# Altium PCB UZ_A_MAX11331_Adapter.PcbDoc (part 2 of 2)
Units mm, origin at the board's own origin, x right, y up, seen from the top; angles counter-clockwise.
Board outline 100 x 100 mm, 4 copper layers (Top Layer, GND, VCC, Bottom Layer), stack 1.587 mm thick; 150 components, 147 nets, 572 pads, 201 vias.
Unrouted connection lines stored in the file: 121.
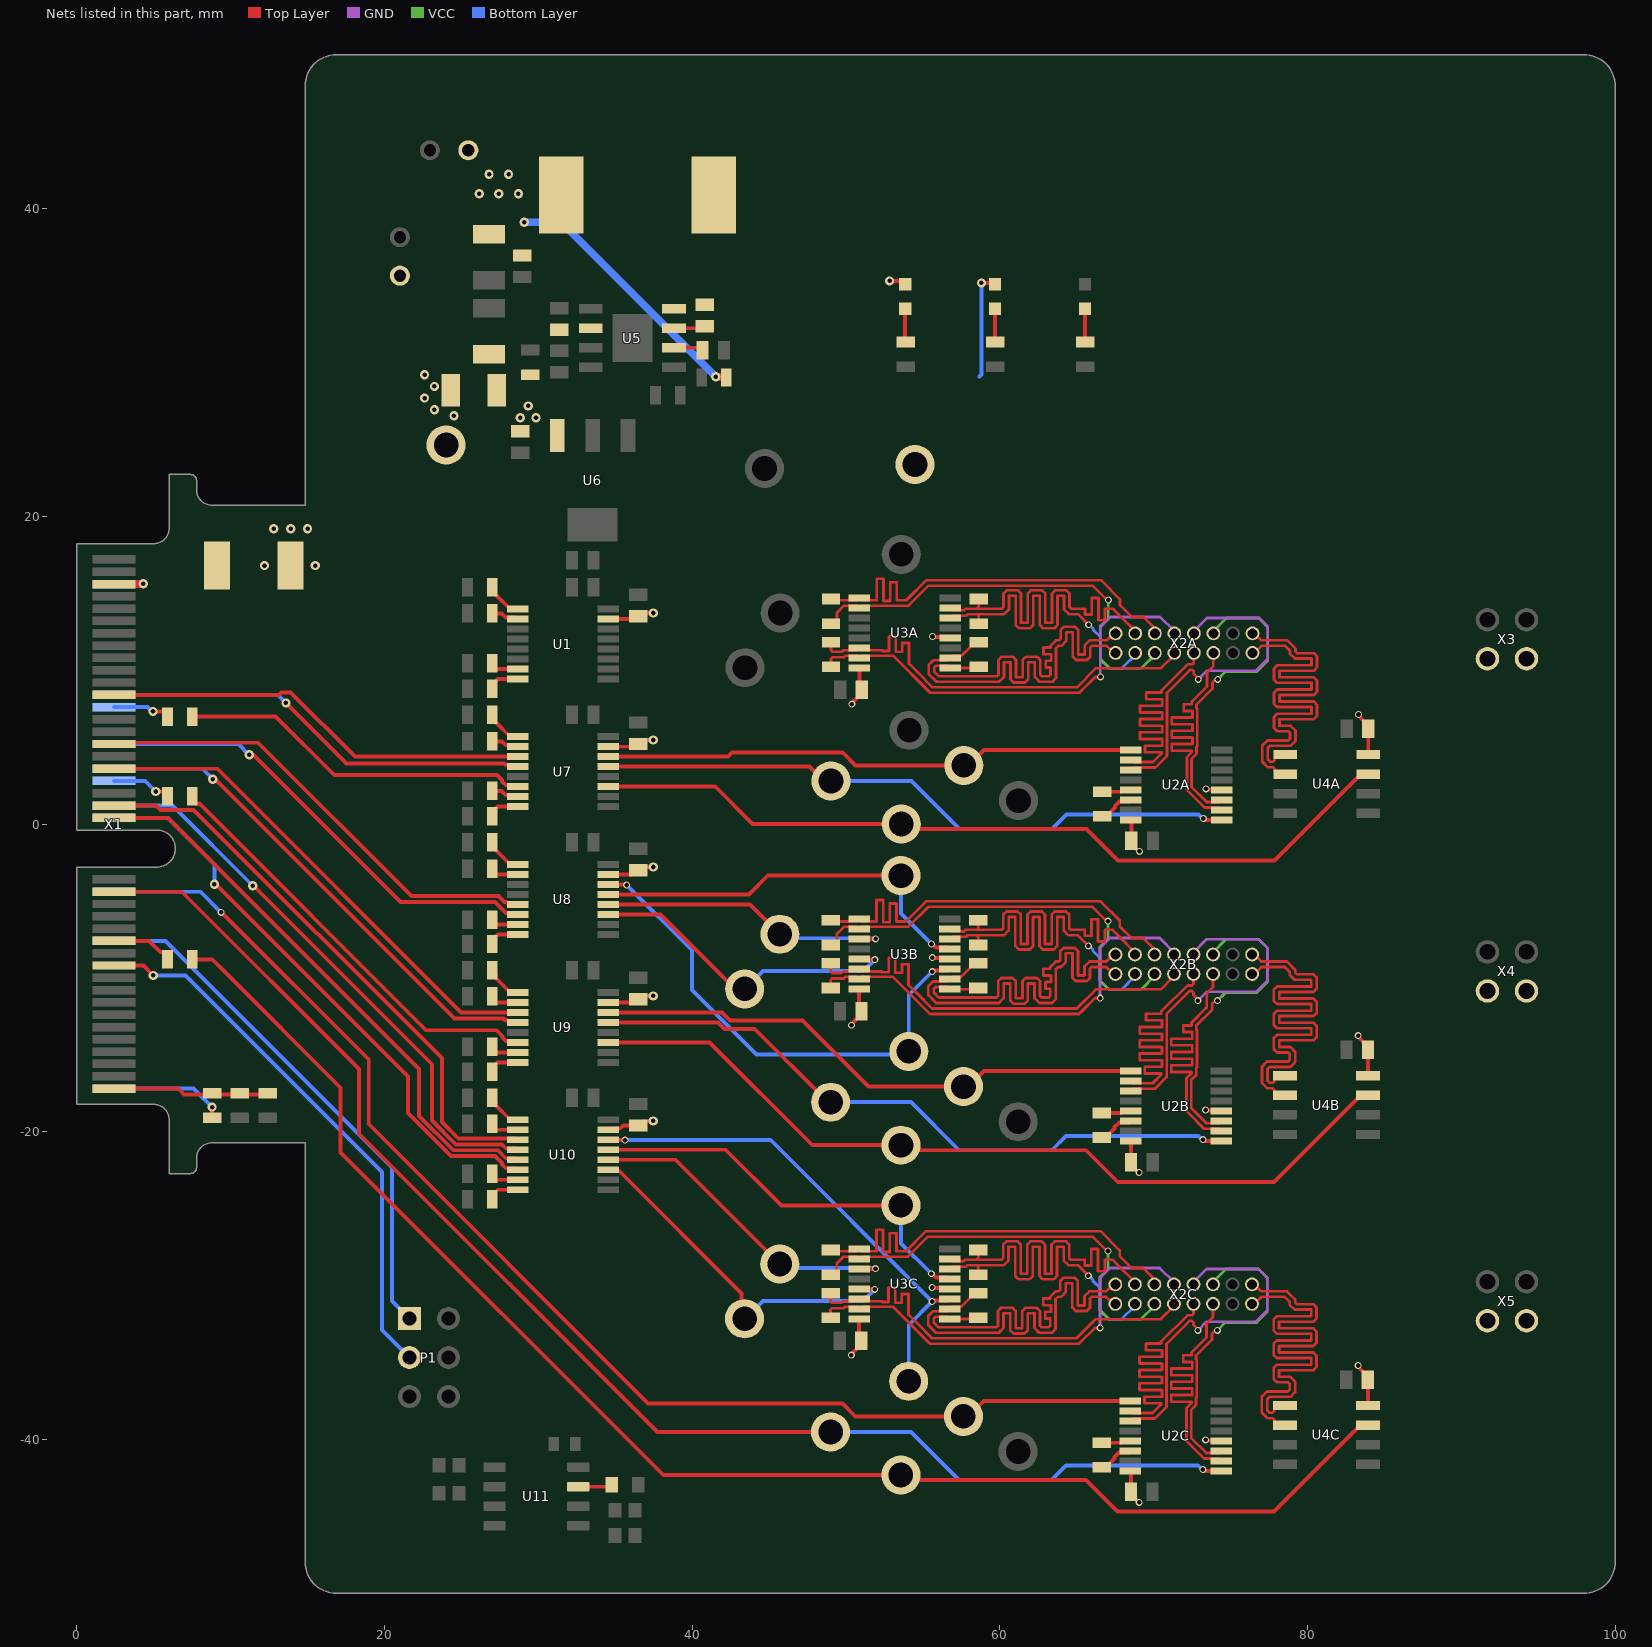
[diagram p4: the nets of this part, all layers, seen from the top]

## Via types
v1: diameter 0.6, hole 0.3, Top Layer to Bottom Layer, tented both sides, 111 vias
v2: diameter 0.45, hole 0.3, Top Layer to Bottom Layer, tented both sides, 84 vias
v3: diameter 0.5, hole 0.2, Top Layer to Bottom Layer, tented bottom, 6 vias

## Nets (pads, with @x,y where several pads share a name; then routed paths per layer and width w, separated by ;. In a path a pad name is that pad's centre, name@x,y a point inside that pad or via, vN(x,y) a via of type N, cw(c..) or ccw(c..) an arc to the next point about the centre after c; other vN are vias at no path point) (continued)
MISO2_3: U8.5 X1.31 | length 30.6
  Top Layer w0.254: X1.31@2.413,5.193 2.503,5.283 11.786,5.283 21.756,-4.687 27.401,-4.687 27.794,-5.079 27.928,-5.079 27.976,-5.127 28.552,-5.127 U8.5@28.65,-5.225
MISO2_4: U8.6 X1.32 | length 30.8
  Top Layer w0.254: v1(11.201,4.496) 11.481,4.496 21.045,-5.068 27.187,-5.068 27.671,-5.551 27.671,-5.566 27.882,-5.777 28.552,-5.777 U8.6@28.65,-5.875
  Bottom Layer w0.254: X1.32@2.413,5.193 10.504,5.193 v1(11.201,4.496)
MISO2_A: TP7B.1 U3B.3 U8.14 | length 32.7
  Top Layer w0.254: U8.14@34.55,-3.925 34.569,-3.944 35.719,-3.944 v2(35.738,-3.962) ; v2(55.606,-9.601) 55.659,-9.601 55.728,-9.533 56.657,-9.533 U3B.3@56.755,-9.435
  Bottom Layer w0.254: v2(35.738,-3.962) 39.976,-8.2 39.976,-10.786 44.176,-14.986 53.879,-14.986 TP7B.1@54.082,-14.783 54.082,-11.125 v2(55.606,-9.601)
MISO2_B: TP8B.1 U3B.5 U8.13 | length 26.1
  Top Layer w0.254: U8.13@34.55,-4.575 43.691,-4.575 44.913,-3.353 TP8B.1@53.574,-3.353 ; v2(55.555,-7.798) 55.608,-7.798 55.848,-8.037 56.657,-8.037 U3B.5@56.755,-8.135
  Bottom Layer w0.254: TP8B.1@53.574,-3.353 53.574,-5.817 v2(55.555,-7.798)
MISO2_C: TP9B.1 U3B.11 U8.12 | length 19.4
  Top Layer w0.254: U8.12@34.55,-5.225 43.762,-5.225 TP9B.1@45.7,-7.163 ; U3B.11@50.855,-7.485 50.863,-7.476 51.915,-7.476 v2(51.923,-7.468)
  Bottom Layer w0.254: TP9B.1@45.7,-7.163 45.968,-7.43 51.886,-7.43 v2(51.923,-7.468)
MISO2_D: TP10B.1 U3B.13 U8.11 | length 21.1
  Top Layer w0.254: U8.11@34.55,-5.875 37.952,-5.875 42.796,-10.719 TP10B.1@43.414,-10.719 ; U3B.13@50.855,-8.785 50.869,-8.8 51.858,-8.8 v2(51.872,-8.814)
  Bottom Layer w0.254: TP10B.1@43.414,-10.719 43.444,-10.719 44.597,-9.567 51.12,-9.567 v2(51.872,-8.814)
MISO3_1: U10.3 X1.41 | length 37.7
  Top Layer w0.254: X1.41@2.413,1.193 5.155,1.193 5.427,0.921 7.588,0.921 23.724,-15.215 23.724,-19.38 24.79,-20.447 28.572,-20.447 U10.3@28.65,-20.525
MISO3_2: U10.4 X1.42 | length 37.6
  Top Layer w0.254: v1(11.43,-4.013) 11.481,-4.013 23.089,-15.621 23.089,-19.284 24.633,-20.828 27.633,-20.828 27.882,-21.077 28.552,-21.077 U10.4@28.65,-21.175
  Bottom Layer w0.254: X1.42@2.413,1.193 6.224,1.193 v1(11.43,-4.013)
MISO3_3: U10.5 X1.43 | length 37.2
  Top Layer w0.254: X1.43@2.413,0.393 5.931,0.393 22.25,-15.926 22.25,-18.985 24.475,-21.209 27.364,-21.209 27.882,-21.727 28.552,-21.727 U10.5@28.65,-21.825
MISO3_4: U10.6 X1.44 | length 37.9
  Top Layer w0.254: v1(8.941,-3.912) 9.017,-3.912 21.514,-16.408 21.514,-18.787 24.317,-21.59 27.185,-21.59 27.629,-22.034 27.629,-22.125 27.882,-22.377 28.552,-22.377 U10.6@28.65,-22.475
  Bottom Layer w0.254: X1.44@2.413,0.393 5.931,0.393 8.941,-2.616 v1(8.941,-3.912)
MISO3_A: TP7C.1 U3C.3 U10.14 | length 32.7
  Top Layer w0.254: U10.14@34.55,-20.525 34.562,-20.537 35.624,-20.537 v2(35.636,-20.549) ; v2(55.601,-31.044) 55.654,-31.044 55.722,-30.976 56.651,-30.976 U3C.3@56.749,-30.878
  Bottom Layer w0.254: v2(35.636,-20.549) 45.105,-20.549 v2(55.601,-31.044) 54.077,-32.568 TP7C.1@54.077,-36.225 TP7C.1@53.873,-36.429
MISO3_B: TP8C.1 U3C.5 U10.13 | length 27.1
  Top Layer w0.254: U10.13@34.55,-21.175 42.177,-21.175 45.798,-24.795 TP8C.1@53.569,-24.795 ; v2(55.55,-29.24) 55.603,-29.24 55.842,-29.48 56.651,-29.48 U3C.5@56.749,-29.578
  Bottom Layer w0.254: TP8C.1@53.569,-24.795 53.569,-27.259 v2(55.55,-29.24)
MISO3_C: TP9C.1 U3C.11 U10.12 | length 21.4
  Top Layer w0.254: U10.12@34.55,-21.825 38.914,-21.825 TP9C.1@45.695,-28.605 ; U3C.11@50.849,-28.928 50.858,-28.919 51.909,-28.919 v2(51.918,-28.91)
  Bottom Layer w0.254: TP9C.1@45.695,-28.605 45.962,-28.873 51.88,-28.873 v2(51.918,-28.91)
MISO3_D: TP10C.1 U3C.13 U10.11 | length 24.6
  Top Layer w0.254: U10.11@34.55,-22.475 34.648,-22.573 35.282,-22.573 43.22,-30.51 43.22,-31.972 TP10C.1@43.409,-32.161 TP10C.1@42.79,-32.161 ; U3C.13@50.849,-30.228 50.863,-30.242 51.852,-30.242 v2(51.867,-30.256)
  Bottom Layer w0.254: TP10C.1@43.409,-32.161 43.439,-32.161 44.591,-31.009 51.114,-31.009 v2(51.867,-30.256)
MISOAA_N: R21A.1 U3A.1 X2A.2 | length 26.5
  Top Layer w0.178: R21A.1@58.624,10.219 58.549,10.144 U3A.1@56.774,10.144 56.638,10.28 55.834,10.28 55.73,10.176 55.73,9.909 56.037,9.602 59.615,9.602 59.808,9.602 59.912,9.706 59.912,10.664 60.12,10.872 60.847,10.872 61.055,10.664 61.055,9.548 61.487,9.548 61.487,10.664 61.695,10.872 62.421,10.872 62.63,10.664 62.63,9.706 62.734,9.602 63.119,9.602 63.193,9.602 63.297,9.706 63.297,10.084 63.297,10.173 62.985,10.173 62.985,10.605 63.348,10.605 63.348,11.036 62.84,11.036 62.84,11.468 63.297,11.468 63.297,11.577 63.607,11.887 63.658,11.938 63.851,11.938 63.955,12.042 63.955,12.615 64.163,12.824 64.89,12.824 65.098,12.615 65.098,11.024 65.53,11.024 65.53,11.626 65.842,11.938 66.472,11.938 66.937,11.938 67.12,12.122 X2A.2@67.31,12.122
MISOAA_P: R21A.2 U3A.2 X2A.1 | length 26.5
  Top Layer w0.178: R21A.2@58.624,11.819 58.374,11.819 58.113,11.558 58.113,11.552 57.491,10.93 56.91,10.93 U3A.2@56.774,10.794 56.638,10.658 56.07,10.658 56.059,10.647 55.687,10.647 55.375,10.334 55.375,9.761 55.889,9.247 59.615,9.247 59.955,9.247 60.268,9.559 60.268,10.517 60.699,10.517 60.699,9.401 60.908,9.192 61.634,9.192 61.842,9.401 61.842,10.517 62.274,10.517 62.274,9.559 62.587,9.247 63.119,9.247 63.42,9.247 63.652,9.479 63.652,11.43 63.658,11.435 63.805,11.583 63.998,11.583 64.311,11.895 64.311,12.468 64.742,12.468 64.742,10.877 64.951,10.668 65.677,10.668 65.885,10.877 65.885,11.478 65.989,11.583 66.472,11.583 66.937,11.583 67.12,11.399 X2A.1@67.31,11.399
MISOAB_N: R21B.1 U3B.1 X2B.2 | length 26.5
  Top Layer w0.178: R21B.1@58.605,-10.66 58.53,-10.735 U3B.1@56.755,-10.735 56.618,-10.599 55.815,-10.599 55.71,-10.703 55.71,-10.97 56.017,-11.277 59.595,-11.277 59.788,-11.277 59.892,-11.173 59.892,-10.215 60.1,-10.007 60.827,-10.007 61.035,-10.215 61.035,-11.331 61.467,-11.331 61.467,-10.215 61.675,-10.007 62.402,-10.007 62.61,-10.215 62.61,-11.173 62.714,-11.277 63.099,-11.277 63.173,-11.277 63.277,-11.173 63.277,-10.795 63.277,-10.706 62.966,-10.706 62.966,-10.274 63.328,-10.274 63.328,-9.843 62.821,-9.843 62.821,-9.411 63.277,-9.411 63.277,-9.302 63.587,-8.992 63.638,-8.941 63.831,-8.941 63.935,-8.837 63.935,-8.264 64.143,-8.055 64.87,-8.055 65.078,-8.264 65.078,-9.855 65.51,-9.855 65.51,-9.253 65.822,-8.941 66.452,-8.941 66.917,-8.941 67.101,-8.757 X2B.2@67.29,-8.757
MISOAB_P: R21B.2 U3B.2 X2B.1 | length 26.5
  Top Layer w0.178: R21B.2@58.605,-9.06 58.355,-9.06 58.093,-9.321 58.093,-9.327 57.471,-9.949 56.891,-9.949 U3B.2@56.755,-10.085 56.618,-10.221 56.05,-10.221 56.039,-10.232 55.667,-10.232 55.355,-10.545 55.355,-11.118 55.87,-11.632 59.595,-11.632 59.935,-11.632 60.248,-11.32 60.248,-10.362 60.68,-10.362 60.68,-11.478 60.888,-11.687 61.614,-11.687 61.823,-11.478 61.823,-10.362 62.254,-10.362 62.254,-11.32 62.567,-11.632 63.099,-11.632 63.4,-11.632 63.633,-11.4 63.633,-9.449 63.638,-9.444 63.785,-9.296 63.978,-9.296 64.291,-8.984 64.291,-8.411 64.723,-8.411 64.723,-10.002 64.931,-10.211 65.657,-10.211 65.866,-10.002 65.866,-9.401 65.97,-9.296 66.452,-9.296 66.917,-9.296 67.101,-9.48 X2B.1@67.29,-9.48
MISOAC_N: R21C.1 U3C.1 X2C.2 | length 26.5
  Top Layer w0.178: R21C.1@58.599,-32.103 58.524,-32.178 U3C.1@56.749,-32.178 56.613,-32.041 55.809,-32.041 55.705,-32.146 55.705,-32.413 56.011,-32.719 59.589,-32.719 59.782,-32.719 59.887,-32.615 59.887,-31.658 60.095,-31.449 60.821,-31.449 61.03,-31.658 61.03,-32.774 61.461,-32.774 61.461,-31.658 61.67,-31.449 62.396,-31.449 62.604,-31.658 62.604,-32.615 62.708,-32.719 63.094,-32.719 63.167,-32.719 63.271,-32.615 63.271,-32.238 63.271,-32.149 62.96,-32.149 62.96,-31.717 63.322,-31.717 63.322,-31.285 62.815,-31.285 62.815,-30.853 63.271,-30.853 63.271,-30.744 63.581,-30.434 63.632,-30.383 63.825,-30.383 63.93,-30.279 63.93,-29.706 64.138,-29.498 64.864,-29.498 65.073,-29.706 65.073,-31.298 65.504,-31.298 65.504,-30.696 65.817,-30.383 66.446,-30.383 66.912,-30.383 67.095,-30.2 X2C.2@67.285,-30.2
MISOAC_P: R21C.2 U3C.2 X2C.1 | length 26.5
  Top Layer w0.178: R21C.2@58.599,-30.503 58.349,-30.503 58.088,-30.764 58.088,-30.769 57.465,-31.391 56.885,-31.391 U3C.2@56.749,-31.528 56.613,-31.664 56.045,-31.664 56.034,-31.675 55.662,-31.675 55.349,-31.987 55.349,-32.56 55.864,-33.075 59.589,-33.075 59.93,-33.075 60.242,-32.762 60.242,-31.805 60.674,-31.805 60.674,-32.921 60.882,-33.129 61.609,-33.129 61.817,-32.921 61.817,-31.805 62.249,-31.805 62.249,-32.762 62.561,-33.075 63.094,-33.075 63.394,-33.075 63.627,-32.842 63.627,-30.891 63.632,-30.886 63.78,-30.739 63.973,-30.739 64.285,-30.426 64.285,-29.853 64.717,-29.853 64.717,-31.445 64.925,-31.653 65.652,-31.653 65.86,-31.445 65.86,-30.843 65.964,-30.739 66.446,-30.739 66.912,-30.739 67.095,-30.922 X2C.1@67.285,-30.922
MISOBA_N: R22A.1 U3A.7 X2A.4 | length 27.2
  Top Layer w0.178: U3A.7@56.774,14.044 56.91,13.908 57.478,13.908 57.49,13.897 57.672,13.897 57.772,13.997 58.52,13.997 ; R22A.1@58.624,14.619 58.624,14.101 58.52,13.997 ; X2A.4@68.803,12.395 68.803,12.534 67.691,13.646 67.34,13.997 66.84,13.997 66.84,13.238 66.408,13.238 66.408,14.695 65.977,14.695 65.977,13.618 65.545,13.618 65.545,13.997 65.024,13.997 64.638,13.997 64.534,14.101 64.534,14.983 64.326,15.192 63.599,15.192 63.391,14.983 63.391,13.082 62.959,13.082 62.959,14.983 62.751,15.192 62.024,15.192 61.816,14.983 61.816,13.082 61.384,13.082 61.384,14.983 61.176,15.192 60.45,15.192 60.241,14.983 60.241,14.101 60.137,13.997 59.944,13.997 58.52,13.997
MISOBA_P: R22A.2 U3A.6 X2A.3 | length 25.6
  Top Layer w0.178: U3A.6@56.774,13.394 56.91,13.53 57.478,13.53 57.49,13.541 57.819,13.541 57.919,13.641 58.52,13.641 ; R22A.2@58.624,13.019 58.624,13.537 58.52,13.641 ; v2(65.778,12.954) 65.09,13.641 65.024,13.641 64.491,13.641 64.178,13.954 64.178,14.836 63.746,14.836 63.746,12.935 63.538,12.727 62.812,12.727 62.603,12.935 62.603,14.836 62.172,14.836 62.172,12.935 61.963,12.727 61.237,12.727 61.029,12.935 61.029,14.836 60.597,14.836 60.597,13.954 60.284,13.641 59.944,13.641 58.52,13.641
  Bottom Layer w0.178: v2(65.778,12.954) 65.825,12.954 66.065,12.714 66.065,12.631 66.537,12.159 66.537,10.713 66.548,10.702 66.548,10.668 67.087,10.129 67.946,10.129 68.803,10.987 X2A.3@68.803,11.125
MISOBB_N: R22B.1 U3B.7 X2B.4 | length 27.2
  Top Layer w0.178: U3B.7@56.755,-6.835 56.891,-6.971 57.459,-6.971 57.47,-6.982 57.652,-6.982 57.752,-6.882 58.5,-6.882 ; R22B.1@58.605,-6.26 58.605,-6.778 58.5,-6.882 ; X2B.4@68.783,-8.484 68.783,-8.345 67.671,-7.233 67.321,-6.882 66.82,-6.882 66.82,-7.641 66.389,-7.641 66.389,-6.184 65.957,-6.184 65.957,-7.261 65.525,-7.261 65.525,-6.882 65.004,-6.882 64.618,-6.882 64.514,-6.778 64.514,-5.896 64.306,-5.687 63.579,-5.687 63.371,-5.896 63.371,-7.797 62.939,-7.797 62.939,-5.896 62.731,-5.687 62.005,-5.687 61.796,-5.896 61.796,-7.797 61.364,-7.797 61.364,-5.896 61.156,-5.687 60.43,-5.687 60.221,-5.896 60.221,-6.778 60.117,-6.882 59.924,-6.882 58.5,-6.882
MISOBB_P: R22B.2 U3B.6 X2B.3 | length 25.6
  Top Layer w0.178: U3B.6@56.755,-7.485 56.891,-7.349 57.459,-7.349 57.47,-7.338 57.8,-7.338 57.9,-7.238 58.5,-7.238 ; R22B.2@58.605,-7.86 58.605,-7.342 58.5,-7.238 ; v2(65.758,-7.925) 65.071,-7.238 65.004,-7.238 64.471,-7.238 64.158,-6.925 64.158,-6.043 63.727,-6.043 63.727,-7.944 63.518,-8.152 62.792,-8.152 62.584,-7.944 62.584,-6.043 62.152,-6.043 62.152,-7.944 61.944,-8.152 61.217,-8.152 61.009,-7.944 61.009,-6.043 60.577,-6.043 60.577,-6.925 60.265,-7.238 59.924,-7.238 58.5,-7.238
  Bottom Layer w0.178: v2(65.758,-7.925) 65.805,-7.925 66.046,-8.165 66.046,-8.248 66.517,-8.72 66.517,-10.166 66.528,-10.177 66.528,-10.211 67.067,-10.75 67.926,-10.75 68.783,-9.892 X2B.3@68.783,-9.754
MISOBC_N: R22C.1 U3C.7 X2C.4 | length 27.2
  Top Layer w0.178: U3C.7@56.749,-28.278 56.885,-28.414 57.453,-28.414 57.464,-28.425 57.647,-28.425 57.747,-28.325 58.495,-28.325 ; R22C.1@58.599,-27.703 58.599,-28.221 58.495,-28.325 ; X2C.4@68.778,-29.926 68.778,-29.787 67.666,-28.675 67.315,-28.325 66.815,-28.325 66.815,-29.084 66.383,-29.084 66.383,-27.627 65.951,-27.627 65.951,-28.704 65.519,-28.704 65.519,-28.325 64.999,-28.325 64.613,-28.325 64.508,-28.221 64.508,-27.338 64.3,-27.13 63.574,-27.13 63.365,-27.338 63.365,-29.239 62.934,-29.239 62.934,-27.338 62.725,-27.13 61.999,-27.13 61.791,-27.338 61.791,-29.239 61.359,-29.239 61.359,-27.338 61.151,-27.13 60.424,-27.13 60.216,-27.338 60.216,-28.221 60.112,-28.325 59.919,-28.325 58.495,-28.325
MISOBC_P: R22C.2 U3C.6 X2C.3 | length 25.6
  Top Layer w0.178: U3C.6@56.749,-28.928 56.885,-28.791 57.453,-28.791 57.464,-28.78 57.794,-28.78 57.894,-28.68 58.495,-28.68 ; R22C.2@58.599,-29.303 58.599,-28.784 58.495,-28.68 ; v2(65.752,-29.367) 65.065,-28.68 64.999,-28.68 64.465,-28.68 64.153,-28.368 64.153,-27.485 63.721,-27.485 63.721,-29.386 63.513,-29.595 62.786,-29.595 62.578,-29.386 62.578,-27.485 62.146,-27.485 62.146,-29.386 61.938,-29.595 61.212,-29.595 61.003,-29.386 61.003,-27.485 60.571,-27.485 60.571,-28.368 60.259,-28.68 59.919,-28.68 58.495,-28.68
  Bottom Layer w0.178: v2(65.752,-29.367) 65.8,-29.367 66.04,-29.608 66.04,-29.691 66.511,-30.162 66.511,-31.609 66.523,-31.62 66.523,-31.653 67.061,-32.192 67.92,-32.192 68.778,-31.335 X2C.3@68.778,-31.196
MISOCA_N: R23A.1 U3A.9 X2A.6 | length 28.8
  Top Layer w0.178: R23A.1@49.024,14.619 49.097,14.547 50.159,14.547 50.17,14.558 50.738,14.558 U3A.9@50.874,14.694 51.01,14.558 51.578,14.558 51.59,14.547 51.918,14.547 52.007,14.547 52.007,15.944 52.438,15.944 52.438,14.496 52.87,14.496 52.87,15.71 53.302,15.71 53.302,14.547 53.76,14.547 53.917,14.547 55.222,15.852 66.572,15.852 67.818,14.606 67.818,14.224 68.58,13.462 69.342,13.462 69.534,13.27 69.935,12.869 69.935,12.534 X2A.6@70.073,12.395
MISOCA_P: R23A.2 U3A.10 X2A.5 | length 28.1
  Top Layer w0.178: R23A.2@49.024,13.019 49.159,13.019 49.42,13.28 49.42,13.731 49.879,14.191 50.159,14.191 50.17,14.18 50.738,14.18 U3A.10@50.874,14.044 51.01,14.18 51.578,14.18 51.59,14.191 54.064,14.191 55.369,15.497 66.037,15.497 v2@67.013,14.521
  VCC w0.178: v2(67.056,14.565) 67.056,13.388 66.537,12.869 66.537,10.713 67.12,10.129 69.216,10.129 70.073,10.987 X2A.5@70.073,11.125
MISOCB_N: R23B.1 U3B.9 X2B.6 | length 28.8
  Top Layer w0.178: R23B.1@49.005,-6.26 49.077,-6.332 50.139,-6.332 50.15,-6.321 50.718,-6.321 U3B.9@50.855,-6.185 50.991,-6.321 51.559,-6.321 51.57,-6.332 51.898,-6.332 51.987,-6.332 51.987,-4.935 52.419,-4.935 52.419,-6.383 52.85,-6.383 52.85,-5.169 53.282,-5.169 53.282,-6.332 53.74,-6.332 53.897,-6.332 55.202,-5.027 66.552,-5.027 67.798,-6.273 67.798,-6.655 68.56,-7.417 69.322,-7.417 69.515,-7.609 69.915,-8.01 69.915,-8.345 X2B.6@70.053,-8.484
MISOCB_P: R23B.2 U3B.10 X2B.5 | length 28.1
  Top Layer w0.178: R23B.2@49.005,-7.86 49.139,-7.86 49.4,-7.599 49.4,-7.148 49.86,-6.688 50.139,-6.688 50.15,-6.699 50.718,-6.699 U3B.10@50.855,-6.835 50.991,-6.699 51.559,-6.699 51.57,-6.688 54.044,-6.688 55.35,-5.382 66.018,-5.382 v2@66.993,-6.358
  VCC w0.178: v2(67.036,-6.314) 67.036,-7.491 66.517,-8.01 66.517,-10.166 67.101,-10.75 69.196,-10.75 70.053,-9.892 X2B.5@70.053,-9.754
MISOCC_N: R23C.1 U3C.9 X2C.6 | length 28.8
  Top Layer w0.178: R23C.1@48.999,-27.703 49.071,-27.775 50.134,-27.775 50.145,-27.764 50.713,-27.764 U3C.9@50.849,-27.628 50.985,-27.764 51.553,-27.764 51.564,-27.775 51.892,-27.775 51.981,-27.775 51.981,-26.378 52.413,-26.378 52.413,-27.826 52.845,-27.826 52.845,-26.612 53.277,-26.612 53.277,-27.775 53.734,-27.775 53.891,-27.775 55.197,-26.469 66.546,-26.469 67.793,-27.716 67.793,-28.097 68.555,-28.859 69.317,-28.859 69.509,-29.052 69.909,-29.452 69.909,-29.788 X2C.6@70.048,-29.926
MISOCC_P: R23C.2 U3C.10 X2C.5 | length 28.1
  Top Layer w0.178: R23C.2@48.999,-29.303 49.133,-29.303 49.394,-29.041 49.394,-28.59 49.854,-28.13 50.134,-28.13 50.145,-28.141 50.713,-28.141 U3C.10@50.849,-28.278 50.985,-28.141 51.553,-28.141 51.564,-28.13 54.039,-28.13 55.344,-26.825 66.012,-26.825 v2@66.987,-27.8
  VCC w0.178: v2(67.031,-27.757) 67.031,-28.934 66.511,-29.453 66.511,-31.609 67.095,-32.192 69.19,-32.192 70.048,-31.335 X2C.5@70.048,-31.196
MISODA_N: R24A.1 U3A.15 X2A.8 | length 28.5
  Top Layer w0.178: R24A.1@49.024,10.219 49.024,10.737 49.128,10.841 49.877,10.841 49.977,10.941 50.159,10.941 50.17,10.93 50.738,10.93 U3A.15@50.874,10.794 51.01,10.93 51.578,10.93 51.59,10.941 53.067,10.941 55.476,8.532 65.169,8.532 65.275,8.639 65.281,8.639 66.203,9.561 v2(66.548,9.561)
  GND w0.178: v2(66.548,9.561) 66.537,9.573 66.537,12.808 67.191,13.462 70.415,13.462 71.343,12.534 X2A.8@71.343,12.395
MISODA_P: R24A.2 U3A.14 X2A.7 | length 28.6
  Top Layer w0.178: R24A.2@49.024,11.819 49.024,11.301 49.128,11.197 49.729,11.197 49.829,11.297 50.159,11.297 50.17,11.308 50.738,11.308 U3A.14@50.874,11.444 51.01,11.308 51.578,11.308 51.59,11.297 51.841,11.297 51.918,11.297 52.362,11.297 52.362,11.246 52.794,11.246 52.794,12.183 53.226,12.183 53.226,11.201 53.658,11.201 53.658,11.769 54.089,11.769 54.089,10.422 54.635,9.875 55.623,8.887 65.021,8.887 66.263,10.129 70.486,10.129 71.343,10.987 X2A.7@71.343,11.125
MISODB_N: R24B.1 U3B.15 X2B.8 | length 28.5
  Top Layer w0.178: R24B.1@49.005,-10.66 49.005,-10.142 49.109,-10.038 49.857,-10.038 49.957,-9.938 50.139,-9.938 50.15,-9.949 50.718,-9.949 U3B.15@50.855,-10.085 50.991,-9.949 51.559,-9.949 51.57,-9.938 53.047,-9.938 55.456,-12.347 65.149,-12.347 65.256,-12.24 65.261,-12.24 66.184,-11.318 v2(66.528,-11.318)
  GND w0.178: v2(66.528,-11.318) 66.517,-11.306 66.517,-8.071 67.171,-7.417 70.395,-7.417 71.323,-8.345 X2B.8@71.323,-8.484
MISODB_P: R24B.2 U3B.14 X2B.7 | length 28.6
  Top Layer w0.178: R24B.2@49.005,-9.06 49.005,-9.578 49.109,-9.682 49.71,-9.682 49.81,-9.582 50.139,-9.582 50.15,-9.571 50.718,-9.571 U3B.14@50.855,-9.435 50.991,-9.571 51.559,-9.571 51.57,-9.582 51.822,-9.582 51.898,-9.582 52.342,-9.582 52.342,-9.633 52.774,-9.633 52.774,-8.696 53.206,-8.696 53.206,-9.678 53.638,-9.678 53.638,-9.11 54.07,-9.11 54.07,-10.457 54.616,-11.004 55.604,-11.992 65.002,-11.992 66.244,-10.75 70.466,-10.75 71.323,-9.892 X2B.7@71.323,-9.754
MISODC_N: R24C.1 U3C.15 X2C.8 | length 28.5
  Top Layer w0.178: R24C.1@48.999,-32.103 48.999,-31.584 49.103,-31.48 49.851,-31.48 49.951,-31.38 50.134,-31.38 50.145,-31.391 50.713,-31.391 U3C.15@50.849,-31.528 50.985,-31.391 51.553,-31.391 51.564,-31.38 53.042,-31.38 55.451,-33.79 65.143,-33.79 65.25,-33.683 65.255,-33.683 66.178,-32.76 v2(66.523,-32.76)
  GND w0.178: v2(66.523,-32.76) 66.511,-32.749 66.511,-29.513 67.165,-28.859 70.39,-28.859 71.318,-29.787 X2C.8@71.318,-29.926
MISODC_P: R24C.2 U3C.14 X2C.7 | length 28.6
  Top Layer w0.178: R24C.2@48.999,-30.503 48.999,-31.021 49.103,-31.125 49.704,-31.125 49.804,-31.025 50.134,-31.025 50.145,-31.014 50.713,-31.014 U3C.14@50.849,-30.878 50.985,-31.014 51.553,-31.014 51.564,-31.025 51.816,-31.025 51.892,-31.025 52.337,-31.025 52.337,-31.076 52.769,-31.076 52.769,-30.139 53.2,-30.139 53.2,-31.12 53.632,-31.12 53.632,-30.553 54.064,-30.553 54.064,-31.9 54.61,-32.446 55.598,-33.434 64.996,-33.434 66.238,-32.192 70.46,-32.192 71.318,-31.335 X2C.7@71.318,-31.196
MOSI1: TP4A.1 U2A.1 U7.13 | length 42.1
  Top Layer w0.254: U7.13@34.55,3.725 47.618,3.725 48.549,2.794 TP4A.1@49.022,2.794 ; v2(73.228,0.356) 73.281,0.356 73.366,0.27 U2A.1@74.418,0.27